# KiCad board VME_Protoboard_160.kicad_pcb (continued)
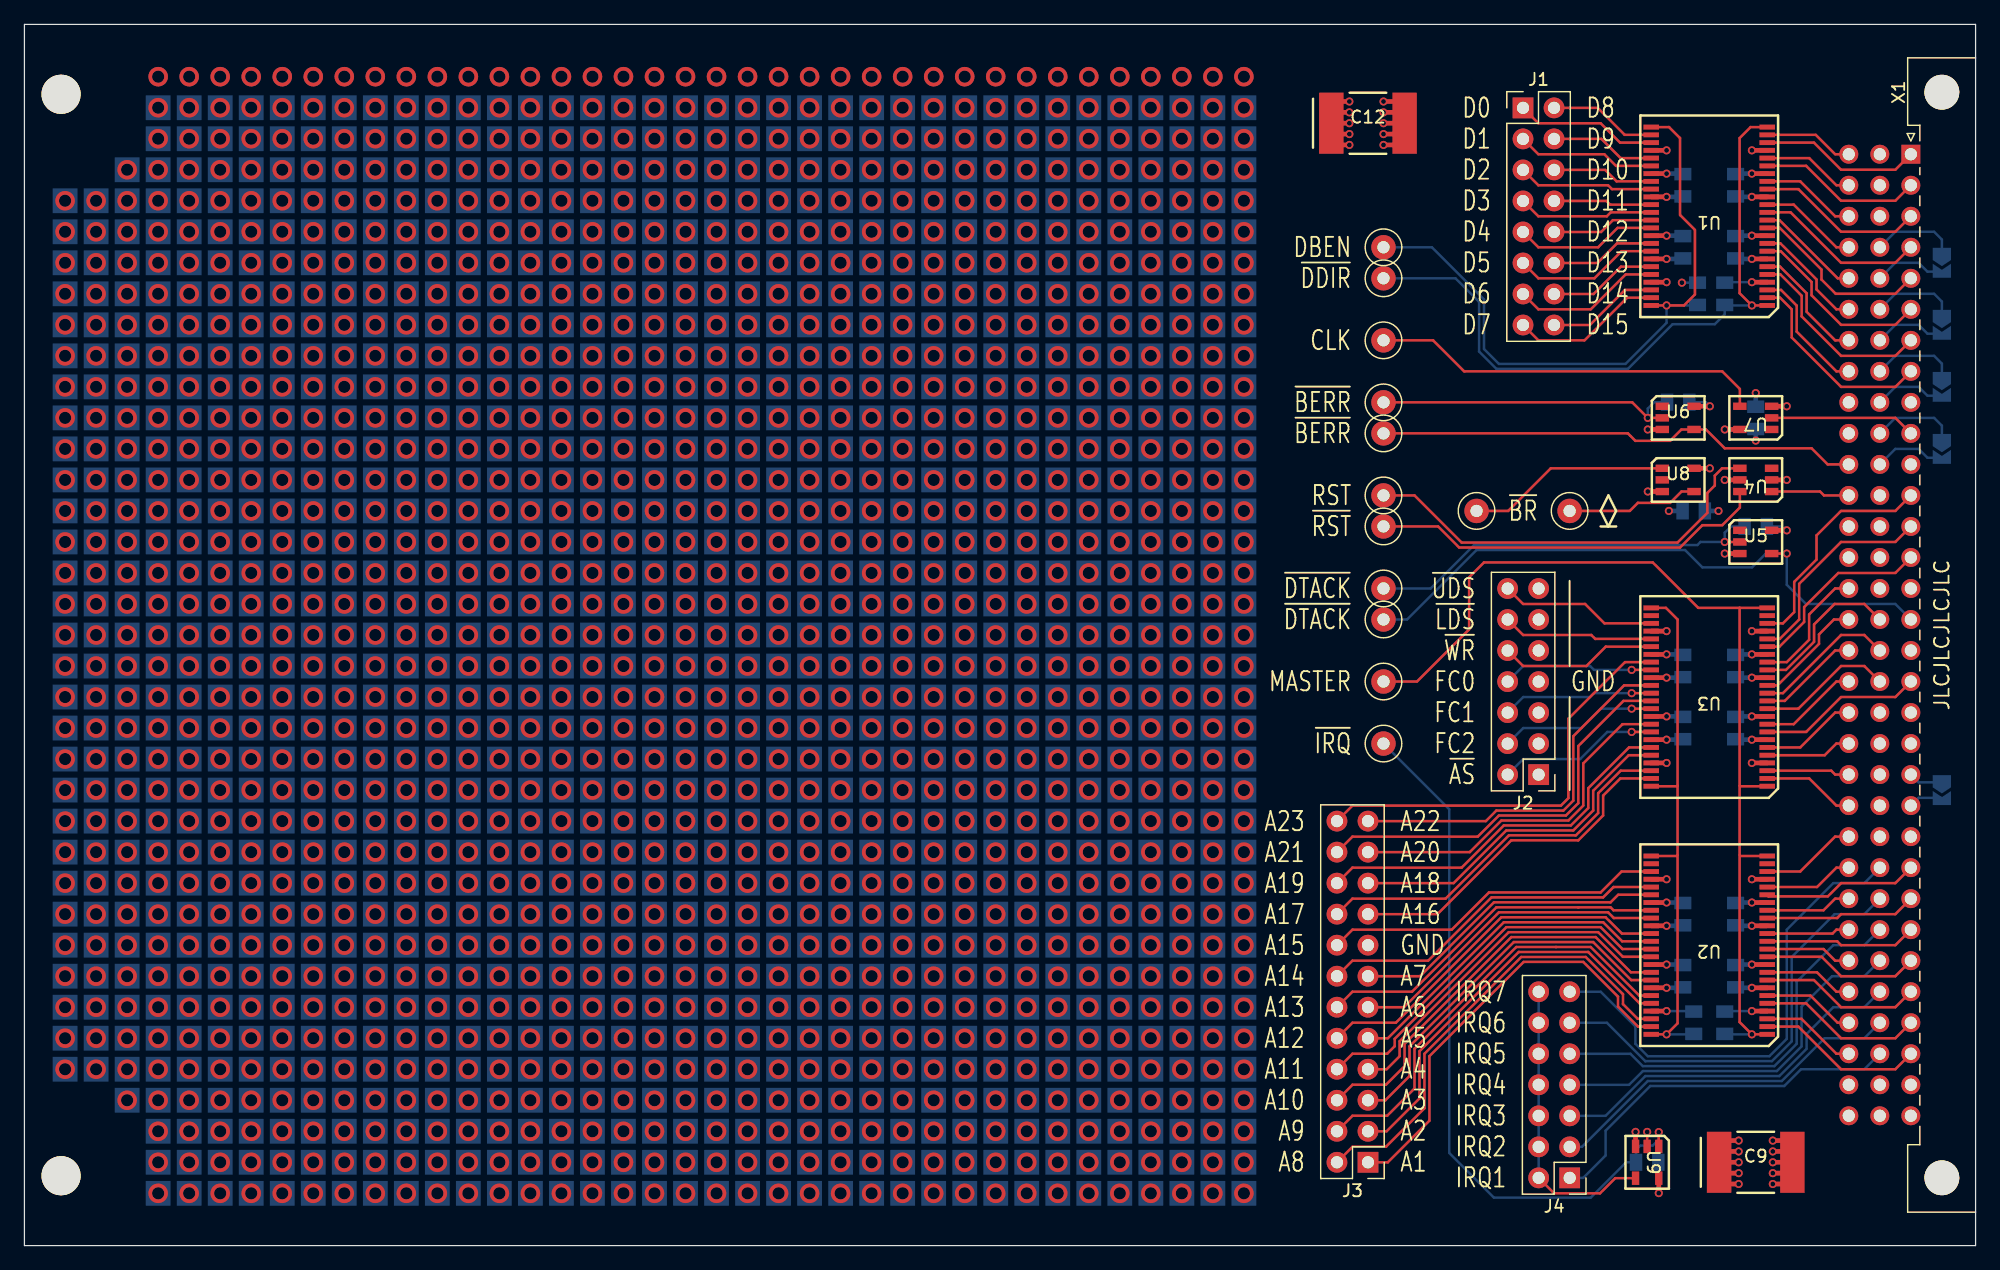
[diagram p0: board, top side]
## Routing (per net, layer and track width the routed paths; a pad name or vN(x,y) marks a point on that pad's centre or on a via; arc(x,y) is an arc through that point) (continued)
  vias: v1(3.33,85.56) v1(3.33,83.02) v1(3.33,80.48) v1(3.33,77.94) v1(3.33,75.4) v1(3.33,72.86) v1(3.33,70.32) v1(3.33,67.78) v1(3.33,65.24) v1(3.33,62.7) v1(3.33,60.16) v1(3.33,57.62) v1(3.33,55.08) v1(3.33,52.54) v1(3.33,50) v1(3.33,47.46) v1(3.33,44.92) v1(3.33,42.38) v1(3.33,39.84) v1(3.33,37.3) v1(3.33,34.76) v1(3.33,32.22) v1(3.33,29.68) v1(3.33,27.14) v1(3.33,24.6) v1(3.33,22.06) v1(3.33,19.52) v1(3.33,16.98) v1(3.33,14.44) v1(5.87,85.56) v1(5.87,83.02) v1(5.87,80.48) v1(5.87,77.94) v1(5.87,75.4) v1(5.87,72.86) v1(5.87,70.32) v1(5.87,67.78) v1(5.87,65.24) v1(5.87,62.7) v1(5.87,60.16) v1(5.87,57.62) v1(5.87,55.08) v1(5.87,52.54) v1(5.87,50) v1(5.87,47.46) v1(5.87,44.92) v1(5.87,42.38) v1(5.87,39.84) v1(5.87,37.3) v1(5.87,34.76) v1(5.87,32.22) v1(5.87,29.68) v1(5.87,27.14) v1(5.87,24.6) v1(5.87,22.06) v1(5.87,19.52) v1(5.87,16.98) v1(5.87,14.44) v1(8.41,88.1) v1(8.41,85.56) v1(8.41,83.02) v1(8.41,80.48) v1(8.41,77.94) v1(8.41,75.4) v1(8.41,72.86) v1(8.41,70.32) v1(8.41,67.78) v1(8.41,65.24) v1(8.41,62.7) v1(8.41,60.16) v1(8.41,57.62) v1(8.41,55.08) v1(8.41,52.54) v1(8.41,50) v1(8.41,47.46) v1(8.41,44.92) v1(8.41,42.38) v1(8.41,39.84) v1(8.41,37.3) v1(8.41,34.76) v1(8.41,32.22) v1(8.41,29.68) v1(8.41,27.14) v1(8.41,24.6) v1(8.41,22.06) v1(8.41,19.52) v1(8.41,16.98) v1(8.41,14.44) v1(8.41,11.9) v1(10.95,93.18) v1(10.95,90.64) v1(10.95,88.1) v1(10.95,85.56) v1(10.95,83.02) v1(10.95,80.48) v1(10.95,77.94) v1(10.95,75.4) v1(10.95,72.86) v1(10.95,70.32) v1(10.95,67.78) v1(10.95,65.24) v1(10.95,62.7) v1(10.95,60.16) v1(10.95,57.62) v1(10.95,55.08) v1(10.95,52.54) v1(10.95,50) v1(10.95,47.46) v1(10.95,44.92) v1(10.95,42.38) v1(10.95,39.84) v1(10.95,37.3) v1(10.95,34.76) v1(10.95,32.22) v1(10.95,29.68) v1(10.95,27.14) v1(10.95,24.6) v1(10.95,22.06) v1(10.95,19.52) v1(10.95,16.98) v1(10.95,14.44) v1(10.95,11.9) v1(10.95,9.36) v1(10.95,6.82) v1(13.49,93.18) v1(13.49,90.64) v1(13.49,88.1) v1(13.49,85.56) v1(13.49,83.02) v1(13.49,80.48) v1(13.49,77.94) v1(13.49,75.4) v1(13.49,72.86) v1(13.49,70.32) v1(13.49,67.78) v1(13.49,65.24) v1(13.49,62.7) v1(13.49,60.16) v1(13.49,57.62) v1(13.49,55.08) v1(13.49,52.54) v1(13.49,50) v1(13.49,47.46) v1(13.49,44.92) v1(13.49,42.38) v1(13.49,39.84) v1(13.49,37.3) v1(13.49,34.76) v1(13.49,32.22) v1(13.49,29.68) v1(13.49,27.14) v1(13.49,24.6) v1(13.49,22.06) v1(13.49,19.52) v1(13.49,16.98) v1(13.49,14.44) v1(13.49,11.9) v1(13.49,9.36) v1(13.49,6.82) v1(16.03,93.18) v1(16.03,90.64) v1(16.03,88.1) v1(16.03,85.56) v1(16.03,83.02) v1(16.03,80.48) v1(16.03,77.94) v1(16.03,75.4) v1(16.03,72.86) v1(16.03,70.32) v1(16.03,67.78) v1(16.03,65.24) v1(16.03,62.7) v1(16.03,60.16) v1(16.03,57.62) v1(16.03,55.08) v1(16.03,52.54) v1(16.03,50) v1(16.03,47.46) v1(16.03,44.92) v1(16.03,42.38) v1(16.03,39.84) v1(16.03,37.3) v1(16.03,34.76) v1(16.03,32.22) v1(16.03,29.68) v1(16.03,27.14) v1(16.03,24.6) v1(16.03,22.06) v1(16.03,19.52) v1(16.03,16.98) v1(16.03,14.44) v1(16.03,11.9) v1(16.03,9.36) v1(16.03,6.82) v1(18.57,93.18) v1(18.57,90.64) v1(18.57,88.1) v1(18.57,85.56) v1(18.57,83.02) v1(18.57,80.48) v1(18.57,77.94) v1(18.57,75.4) v1(18.57,72.86) v1(18.57,70.32) v1(18.57,67.78) v1(18.57,65.24) v1(18.57,62.7) v1(18.57,60.16) v1(18.57,57.62) v1(18.57,55.08) v1(18.57,52.54) v1(18.57,50) v1(18.57,47.46) v1(18.57,44.92) v1(18.57,42.38) v1(18.57,39.84) v1(18.57,37.3) v1(18.57,34.76) v1(18.57,32.22) v1(18.57,29.68) v1(18.57,27.14) v1(18.57,24.6) v1(18.57,22.06) v1(18.57,19.52) v1(18.57,16.98) v1(18.57,14.44) v1(18.57,11.9) v1(18.57,9.36) v1(18.57,6.82) v1(21.11,93.18) v1(21.11,90.64) v1(21.11,88.1) v1(21.11,85.56) v1(21.11,83.02) v1(21.11,80.48) v1(21.11,77.94) v1(21.11,75.4) v1(21.11,72.86) v1(21.11,70.32) v1(21.11,67.78) v1(21.11,65.24) v1(21.11,62.7) v1(21.11,60.16) v1(21.11,57.62) v1(21.11,55.08) v1(21.11,52.54) v1(21.11,50) v1(21.11,47.46) v1(21.11,44.92) v1(21.11,42.38) v1(21.11,39.84) v1(21.11,37.3) v1(21.11,34.76) v1(21.11,32.22) v1(21.11,29.68) v1(21.11,27.14) v1(21.11,24.6) v1(21.11,22.06) v1(21.11,19.52) v1(21.11,16.98) v1(21.11,14.44) v1(21.11,11.9) v1(21.11,9.36) v1(21.11,6.82) v1(23.65,93.18) v1(23.65,90.64) v1(23.65,88.1) v1(23.65,85.56) v1(23.65,83.02) v1(23.65,80.48) v1(23.65,77.94) v1(23.65,75.4) v1(23.65,72.86) v1(23.65,70.32) v1(23.65,67.78) v1(23.65,65.24) v1(23.65,62.7) v1(23.65,60.16) v1(23.65,57.62) v1(23.65,55.08) v1(23.65,52.54) v1(23.65,50) v1(23.65,47.46) v1(23.65,44.92) v1(23.65,42.38) v1(23.65,39.84) v1(23.65,37.3) v1(23.65,34.76) v1(23.65,32.22) v1(23.65,29.68) v1(23.65,27.14) v1(23.65,24.6) v1(23.65,22.06) v1(23.65,19.52) v1(23.65,16.98) v1(23.65,14.44) v1(23.65,11.9) v1(23.65,9.36) v1(23.65,6.82) v1(26.19,93.18) v1(26.19,90.64) v1(26.19,88.1) v1(26.19,85.56) v1(26.19,83.02) v1(26.19,80.48) v1(26.19,77.94) v1(26.19,75.4) v1(26.19,72.86) v1(26.19,70.32) v1(26.19,67.78) v1(26.19,65.24) v1(26.19,62.7) v1(26.19,60.16) v1(26.19,57.62) v1(26.19,55.08) v1(26.19,52.54) v1(26.19,50) v1(26.19,47.46) v1(26.19,44.92) v1(26.19,42.38) v1(26.19,39.84) v1(26.19,37.3) v1(26.19,34.76) v1(26.19,32.22) v1(26.19,29.68) v1(26.19,27.14) v1(26.19,24.6) v1(26.19,22.06) v1(26.19,19.52) v1(26.19,16.98) v1(26.19,14.44) v1(26.19,11.9) v1(26.19,9.36) v1(26.19,6.82) v1(28.73,93.18) v1(28.73,90.64) v1(28.73,88.1) v1(28.73,85.56) v1(28.73,83.02) v1(28.73,80.48) v1(28.73,77.94) v1(28.73,75.4) v1(28.73,72.86) v1(28.73,70.32) v1(28.73,67.78) v1(28.73,65.24) v1(28.73,62.7) v1(28.73,60.16) v1(28.73,57.62) v1(28.73,55.08) v1(28.73,52.54) v1(28.73,50) v1(28.73,47.46) v1(28.73,44.92) v1(28.73,42.38) v1(28.73,39.84) v1(28.73,37.3) v1(28.73,34.76) v1(28.73,32.22) v1(28.73,29.68) v1(28.73,27.14) v1(28.73,24.6) v1(28.73,22.06) v1(28.73,19.52) v1(28.73,16.98) v1(28.73,14.44) v1(28.73,11.9) v1(28.73,9.36) v1(28.73,6.82) v1(31.27,93.18) v1(31.27,90.64) v1(31.27,88.1) v1(31.27,85.56) v1(31.27,83.02) v1(31.27,80.48) v1(31.27,77.94) v1(31.27,75.4) v1(31.27,72.86) v1(31.27,70.32) v1(31.27,67.78) v1(31.27,65.24) v1(31.27,62.7) v1(31.27,60.16) v1(31.27,57.62) v1(31.27,55.08) v1(31.27,52.54) v1(31.27,50) v1(31.27,47.46) v1(31.27,44.92) v1(31.27,42.38) v1(31.27,39.84) v1(31.27,37.3) v1(31.27,34.76) v1(31.27,32.22) v1(31.27,29.68) v1(31.27,27.14) v1(31.27,24.6) v1(31.27,22.06) v1(31.27,19.52) v1(31.27,16.98) v1(31.27,14.44) v1(31.27,11.9) v1(31.27,9.36) v1(31.27,6.82) v1(33.81,93.18) v1(33.81,90.64) v1(33.81,88.1) v1(33.81,85.56) v1(33.81,83.02) v1(33.81,80.48) v1(33.81,77.94) v1(33.81,75.4) v1(33.81,72.86) v1(33.81,70.32) v1(33.81,67.78) v1(33.81,65.24) v1(33.81,62.7) v1(33.81,60.16) v1(33.81,57.62) v1(33.81,55.08) v1(33.81,52.54) v1(33.81,50) v1(33.81,47.46) v1(33.81,44.92) v1(33.81,42.38) v1(33.81,39.84) v1(33.81,37.3) v1(33.81,34.76) v1(33.81,32.22) v1(33.81,29.68) v1(33.81,27.14) v1(33.81,24.6) v1(33.81,22.06) v1(33.81,19.52) v1(33.81,16.98) v1(33.81,14.44) v1(33.81,11.9) v1(33.81,9.36) v1(33.81,6.82) v1(36.35,93.18) v1(36.35,90.64) v1(36.35,88.1) v1(36.35,85.56) v1(36.35,83.02) v1(36.35,80.48) v1(36.35,77.94) v1(36.35,75.4) v1(36.35,72.86) v1(36.35,70.32) v1(36.35,67.78) v1(36.35,65.24) v1(36.35,62.7) v1(36.35,60.16) v1(36.35,57.62) v1(36.35,55.08) v1(36.35,52.54) v1(36.35,50) v1(36.35,47.46) v1(36.35,44.92) v1(36.35,42.38) v1(36.35,39.84) v1(36.35,37.3) v1(36.35,34.76) v1(36.35,32.22) v1(36.35,29.68) v1(36.35,27.14) v1(36.35,24.6) v1(36.35,22.06) v1(36.35,19.52) v1(36.35,16.98) v1(36.35,14.44) v1(36.35,11.9) v1(36.35,9.36) v1(36.35,6.82) v1(38.89,93.18) v1(38.89,90.64) v1(38.89,88.1) v1(38.89,85.56) v1(38.89,83.02) v1(38.89,80.48) v1(38.89,77.94) v1(38.89,75.4) v1(38.89,72.86) v1(38.89,70.32) v1(38.89,67.78) v1(38.89,65.24) v1(38.89,62.7) v1(38.89,60.16) v1(38.89,57.62) v1(38.89,55.08) v1(38.89,52.54) v1(38.89,50) v1(38.89,47.46) v1(38.89,44.92) v1(38.89,42.38) v1(38.89,39.84) v1(38.89,37.3) v1(38.89,34.76) v1(38.89,32.22) v1(38.89,29.68) v1(38.89,27.14) v1(38.89,24.6) v1(38.89,22.06) v1(38.89,19.52) v1(38.89,16.98) v1(38.89,14.44) v1(38.89,11.9) v1(38.89,9.36) v1(38.89,6.82) v1(41.43,93.18) v1(41.43,90.64) v1(41.43,88.1) v1(41.43,85.56) v1(41.43,83.02) v1(41.43,80.48) v1(41.43,77.94) v1(41.43,75.4) v1(41.43,72.86) v1(41.43,70.32) v1(41.43,67.78) v1(41.43,65.24) v1(41.43,62.7) v1(41.43,60.16) v1(41.43,57.62) v1(41.43,55.08) v1(41.43,52.54) v1(41.43,50) v1(41.43,47.46) v1(41.43,44.92) v1(41.43,42.38) v1(41.43,39.84) v1(41.43,37.3) v1(41.43,34.76) v1(41.43,32.22) v1(41.43,29.68) v1(41.43,27.14) v1(41.43,24.6) v1(41.43,22.06) v1(41.43,19.52) v1(41.43,16.98) v1(41.43,14.44) v1(41.43,11.9) v1(41.43,9.36) v1(41.43,6.82) v1(43.97,93.18) v1(43.97,90.64) v1(43.97,88.1) v1(43.97,85.56) v1(43.97,83.02) v1(43.97,80.48) v1(43.97,77.94) v1(43.97,75.4) v1(43.97,72.86) v1(43.97,70.32) v1(43.97,67.78) v1(43.97,65.24) v1(43.97,62.7) v1(43.97,60.16) v1(43.97,57.62) v1(43.97,55.08) v1(43.97,52.54) v1(43.97,50) v1(43.97,47.46) v1(43.97,44.92) v1(43.97,42.38) v1(43.97,39.84) v1(43.97,37.3) v1(43.97,34.76) v1(43.97,32.22) v1(43.97,29.68) v1(43.97,27.14) v1(43.97,24.6) v1(43.97,22.06) v1(43.97,19.52) v1(43.97,16.98) v1(43.97,14.44) v1(43.97,11.9) v1(43.97,9.36) v1(43.97,6.82) v1(46.51,93.18) v1(46.51,90.64) v1(46.51,88.1) v1(46.51,85.56) v1(46.51,83.02) v1(46.51,80.48) v1(46.51,77.94) v1(46.51,75.4) v1(46.51,72.86) v1(46.51,70.32) v1(46.51,67.78) v1(46.51,65.24) v1(46.51,62.7) v1(46.51,60.16) v1(46.51,57.62) v1(46.51,55.08) v1(46.51,52.54) v1(46.51,50) v1(46.51,47.46) v1(46.51,44.92) v1(46.51,42.38) v1(46.51,39.84) v1(46.51,37.3) v1(46.51,34.76) v1(46.51,32.22) v1(46.51,29.68) v1(46.51,27.14) v1(46.51,24.6) v1(46.51,22.06) v1(46.51,19.52) v1(46.51,16.98) v1(46.51,14.44) v1(46.51,11.9) v1(46.51,9.36) v1(46.51,6.82) v1(49.05,93.18) v1(49.05,90.64) v1(49.05,88.1) v1(49.05,85.56) v1(49.05,83.02) v1(49.05,80.48) v1(49.05,77.94) v1(49.05,75.4) v1(49.05,72.86) v1(49.05,70.32) v1(49.05,67.78) v1(49.05,65.24) v1(49.05,62.7) v1(49.05,60.16) v1(49.05,57.62) v1(49.05,55.08) v1(49.05,52.54) v1(49.05,50) v1(49.05,47.46) v1(49.05,44.92) v1(49.05,42.38) v1(49.05,39.84) v1(49.05,37.3) v1(49.05,34.76) v1(49.05,32.22) v1(49.05,29.68) v1(49.05,27.14) v1(49.05,24.6) v1(49.05,22.06) v1(49.05,19.52) v1(49.05,16.98) v1(49.05,14.44) v1(49.05,11.9) v1(49.05,9.36) v1(49.05,6.82) v1(51.59,93.18) v1(51.59,90.64) v1(51.59,88.1) v1(51.59,85.56) v1(51.59,83.02) v1(51.59,80.48) v1(51.59,77.94) v1(51.59,75.4) v1(51.59,72.86) v1(51.59,70.32) v1(51.59,67.78) v1(51.59,65.24) v1(51.59,62.7) v1(51.59,60.16) v1(51.59,57.62) v1(51.59,55.08) v1(51.59,52.54) v1(51.59,50) v1(51.59,47.46) v1(51.59,44.92) v1(51.59,42.38) v1(51.59,39.84) v1(51.59,37.3) v1(51.59,34.76) v1(51.59,32.22) v1(51.59,29.68) v1(51.59,27.14) v1(51.59,24.6) v1(51.59,22.06) v1(51.59,19.52) v1(51.59,16.98) v1(51.59,14.44) v1(51.59,11.9) v1(51.59,9.36) v1(51.59,6.82) v1(54.13,93.18) v1(54.13,90.64) v1(54.13,88.1) v1(54.13,85.56) v1(54.13,83.02) v1(54.13,80.48) v1(54.13,77.94) v1(54.13,75.4) v1(54.13,72.86) v1(54.13,70.32) v1(54.13,67.78) v1(54.13,65.24) v1(54.13,62.7) v1(54.13,60.16) v1(54.13,57.62) v1(54.13,55.08) v1(54.13,52.54) v1(54.13,50) v1(54.13,47.46) v1(54.13,44.92) v1(54.13,42.38) v1(54.13,39.84) v1(54.13,37.3) v1(54.13,34.76) v1(54.13,32.22) v1(54.13,29.68) v1(54.13,27.14) v1(54.13,24.6) v1(54.13,22.06) v1(54.13,19.52) v1(54.13,16.98) v1(54.13,14.44) v1(54.13,11.9) v1(54.13,9.36) v1(54.13,6.82) v1(56.67,93.18) v1(56.67,90.64) v1(56.67,88.1) v1(56.67,85.56) v1(56.67,83.02) v1(56.67,80.48) v1(56.67,77.94) v1(56.67,75.4) v1(56.67,72.86) v1(56.67,70.32) v1(56.67,67.78) v1(56.67,65.24) v1(56.67,62.7) v1(56.67,60.16) v1(56.67,57.62) v1(56.67,55.08) v1(56.67,52.54) v1(56.67,50) v1(56.67,47.46) v1(56.67,44.92) v1(56.67,42.38) v1(56.67,39.84) v1(56.67,37.3) v1(56.67,34.76) v1(56.67,32.22) v1(56.67,29.68) v1(56.67,27.14) v1(56.67,24.6) v1(56.67,22.06) v1(56.67,19.52) v1(56.67,16.98) v1(56.67,14.44) v1(56.67,11.9) v1(56.67,9.36) v1(56.67,6.82) v1(59.21,93.18) v1(59.21,90.64) v1(59.21,88.1) v1(59.21,85.56) v1(59.21,83.02) v1(59.21,80.48) v1(59.21,77.94) v1(59.21,75.4) v1(59.21,72.86) v1(59.21,70.32) v1(59.21,67.78) v1(59.21,65.24) v1(59.21,62.7) v1(59.21,60.16) v1(59.21,57.62) v1(59.21,55.08) v1(59.21,52.54) v1(59.21,50) v1(59.21,47.46) v1(59.21,44.92) v1(59.21,42.38) v1(59.21,39.84) v1(59.21,37.3) v1(59.21,34.76) v1(59.21,32.22) v1(59.21,29.68) v1(59.21,27.14) v1(59.21,24.6) v1(59.21,22.06) v1(59.21,19.52) v1(59.21,16.98) v1(59.21,14.44) v1(59.21,11.9) v1(59.21,9.36) v1(59.21,6.82) v1(61.75,93.18) v1(61.75,90.64) v1(61.75,88.1) v1(61.75,85.56) v1(61.75,83.02) v1(61.75,80.48) v1(61.75,77.94) v1(61.75,75.4) v1(61.75,72.86) v1(61.75,70.32) v1(61.75,67.78) v1(61.75,65.24) v1(61.75,62.7) v1(61.75,60.16) v1(61.75,57.62) v1(61.75,55.08) v1(61.75,52.54) v1(61.75,50) v1(61.75,47.46) v1(61.75,44.92) v1(61.75,42.38) v1(61.75,39.84) v1(61.75,37.3) v1(61.75,34.76) v1(61.75,32.22) v1(61.75,29.68) v1(61.75,27.14) v1(61.75,24.6) v1(61.75,22.06) v1(61.75,19.52) v1(61.75,16.98) v1(61.75,14.44) v1(61.75,11.9) v1(61.75,9.36) v1(61.75,6.82) v1(64.29,93.18) v1(64.29,90.64) v1(64.29,88.1) v1(64.29,85.56) v1(64.29,83.02) v1(64.29,80.48) v1(64.29,77.94) v1(64.29,75.4) v1(64.29,72.86) v1(64.29,70.32) v1(64.29,67.78) v1(64.29,65.24) v1(64.29,62.7) v1(64.29,60.16) v1(64.29,57.62) v1(64.29,55.08) v1(64.29,52.54) v1(64.29,50) v1(64.29,47.46) v1(64.29,44.92) v1(64.29,42.38) v1(64.29,39.84) v1(64.29,37.3) v1(64.29,34.76) v1(64.29,32.22) v1(64.29,29.68) v1(64.29,27.14) v1(64.29,24.6) v1(64.29,22.06) v1(64.29,19.52) v1(64.29,16.98) v1(64.29,14.44) v1(64.29,11.9) v1(64.29,9.36) v1(64.29,6.82) v1(66.83,93.18) v1(66.83,90.64) v1(66.83,88.1) v1(66.83,85.56) v1(66.83,83.02) v1(66.83,80.48) v1(66.83,77.94) v1(66.83,75.4) v1(66.83,72.86) v1(66.83,70.32) v1(66.83,67.78) v1(66.83,65.24) v1(66.83,62.7) v1(66.83,60.16) v1(66.83,57.62) v1(66.83,55.08) v1(66.83,52.54) v1(66.83,50) v1(66.83,47.46) v1(66.83,44.92) v1(66.83,42.38) v1(66.83,39.84) v1(66.83,37.3) v1(66.83,34.76) v1(66.83,32.22) v1(66.83,29.68) v1(66.83,27.14) v1(66.83,24.6) v1(66.83,22.06) v1(66.83,19.52) v1(66.83,16.98) v1(66.83,14.44) v1(66.83,11.9) v1(66.83,9.36) v1(66.83,6.82) v1(69.37,93.18) v1(69.37,90.64) v1(69.37,88.1) v1(69.37,85.56) v1(69.37,83.02) v1(69.37,80.48) v1(69.37,77.94) v1(69.37,75.4) v1(69.37,72.86) v1(69.37,70.32) v1(69.37,67.78) v1(69.37,65.24) v1(69.37,62.7) v1(69.37,60.16) v1(69.37,57.62) v1(69.37,55.08) v1(69.37,52.54) v1(69.37,50) v1(69.37,47.46) v1(69.37,44.92) v1(69.37,42.38) v1(69.37,39.84) v1(69.37,37.3) v1(69.37,34.76) v1(69.37,32.22) v1(69.37,29.68) v1(69.37,27.14) v1(69.37,24.6) v1(69.37,22.06) v1(69.37,19.52) v1(69.37,16.98) v1(69.37,14.44) v1(69.37,11.9) v1(69.37,9.36) v1(69.37,6.82) v1(71.91,93.18) v1(71.91,90.64) v1(71.91,88.1) v1(71.91,85.56) v1(71.91,83.02) v1(71.91,80.48) v1(71.91,77.94) v1(71.91,75.4) v1(71.91,72.86) v1(71.91,70.32) v1(71.91,67.78) v1(71.91,65.24) v1(71.91,62.7) v1(71.91,60.16) v1(71.91,57.62) v1(71.91,55.08) v1(71.91,52.54) v1(71.91,50) v1(71.91,47.46) v1(71.91,44.92) v1(71.91,42.38) v1(71.91,39.84) v1(71.91,37.3) v1(71.91,34.76) v1(71.91,32.22) v1(71.91,29.68) v1(71.91,27.14) v1(71.91,24.6) v1(71.91,22.06) v1(71.91,19.52) v1(71.91,16.98) v1(71.91,14.44) v1(71.91,11.9) v1(71.91,9.36) v1(71.91,6.82) v1(74.45,93.18) v1(74.45,90.64) v1(74.45,88.1) v1(74.45,85.56) v1(74.45,83.02) v1(74.45,80.48) v1(74.45,77.94) v1(74.45,75.4) v1(74.45,72.86) v1(74.45,70.32) v1(74.45,67.78) v1(74.45,65.24) v1(74.45,62.7) v1(74.45,60.16) v1(74.45,57.62) v1(74.45,55.08) v1(74.45,52.54) v1(74.45,50) v1(74.45,47.46) v1(74.45,44.92) v1(74.45,42.38) v1(74.45,39.84) v1(74.45,37.3) v1(74.45,34.76) v1(74.45,32.22) v1(74.45,29.68) v1(74.45,27.14) v1(74.45,24.6) v1(74.45,22.06) v1(74.45,19.52) v1(74.45,16.98) v1(74.45,14.44) v1(74.45,11.9) v1(74.45,9.36) v1(74.45,6.82) v1(76.99,93.18) v1(76.99,90.64) v1(76.99,88.1) v1(76.99,85.56) v1(76.99,83.02) v1(76.99,80.48) v1(76.99,77.94) v1(76.99,75.4) v1(76.99,72.86) v1(76.99,70.32) v1(76.99,67.78) v1(76.99,65.24) v1(76.99,62.7) v1(76.99,60.16) v1(76.99,57.62) v1(76.99,55.08) v1(76.99,52.54) v1(76.99,50) v1(76.99,47.46) v1(76.99,44.92) v1(76.99,42.38) v1(76.99,39.84) v1(76.99,37.3) v1(76.99,34.76) v1(76.99,32.22) v1(76.99,29.68) v1(76.99,27.14) v1(76.99,24.6) v1(76.99,22.06) v1(76.99,19.52) v1(76.99,16.98) v1(76.99,14.44) v1(76.99,11.9) v1(76.99,9.36) v1(76.99,6.82) v1(79.53,93.18) v1(79.53,90.64) v1(79.53,88.1) v1(79.53,85.56) v1(79.53,83.02) v1(79.53,80.48) v1(79.53,77.94) v1(79.53,75.4) v1(79.53,72.86) v1(79.53,70.32) v1(79.53,67.78) v1(79.53,65.24) v1(79.53,62.7) v1(79.53,60.16) v1(79.53,57.62) v1(79.53,55.08) v1(79.53,52.54) v1(79.53,50) v1(79.53,47.46) v1(79.53,44.92) v1(79.53,42.38) v1(79.53,39.84) v1(79.53,37.3) v1(79.53,34.76) v1(79.53,32.22) v1(79.53,29.68) v1(79.53,27.14) v1(79.53,24.6) v1(79.53,22.06) v1(79.53,19.52) v1(79.53,16.98) v1(79.53,14.44) v1(79.53,11.9) v1(79.53,9.36) v1(79.53,6.82) v1(82.07,93.18) v1(82.07,90.64) v1(82.07,88.1) v1(82.07,85.56) v1(82.07,83.02) v1(82.07,80.48) v1(82.07,77.94) v1(82.07,75.4) v1(82.07,72.86) v1(82.07,70.32) v1(82.07,67.78) v1(82.07,65.24) v1(82.07,62.7) v1(82.07,60.16) v1(82.07,57.62) v1(82.07,55.08) v1(82.07,52.54) v1(82.07,50) v1(82.07,47.46) v1(82.07,44.92) v1(82.07,42.38) v1(82.07,39.84) v1(82.07,37.3) v1(82.07,34.76) v1(82.07,32.22) v1(82.07,29.68) v1(82.07,27.14) v1(82.07,24.6) v1(82.07,22.06) v1(82.07,19.52) v1(82.07,16.98) v1(82.07,14.44) v1(82.07,11.9) v1(82.07,9.36) v1(82.07,6.82) v1(84.61,93.18) v1(84.61,90.64) v1(84.61,88.1) v1(84.61,85.56) v1(84.61,83.02) v1(84.61,80.48) v1(84.61,77.94) v1(84.61,75.4) v1(84.61,72.86) v1(84.61,70.32) v1(84.61,67.78) v1(84.61,65.24) v1(84.61,62.7) v1(84.61,60.16) v1(84.61,57.62) v1(84.61,55.08) v1(84.61,52.54) v1(84.61,50) v1(84.61,47.46) v1(84.61,44.92) v1(84.61,42.38) v1(84.61,39.84) v1(84.61,37.3) v1(84.61,34.76) v1(84.61,32.22) v1(84.61,29.68) v1(84.61,27.14) v1(84.61,24.6) v1(84.61,22.06) v1(84.61,19.52) v1(84.61,16.98) v1(84.61,14.44) v1(84.61,11.9) v1(84.61,9.36) v1(84.61,6.82) v1(87.15,93.18) v1(87.15,90.64) v1(87.15,88.1) v1(87.15,85.56) v1(87.15,83.02) v1(87.15,80.48) v1(87.15,77.94) v1(87.15,75.4) v1(87.15,72.86) v1(87.15,70.32) v1(87.15,67.78) v1(87.15,65.24) v1(87.15,62.7) v1(87.15,60.16) v1(87.15,57.62) v1(87.15,55.08) v1(87.15,52.54) v1(87.15,50) v1(87.15,47.46) v1(87.15,44.92) v1(87.15,42.38) v1(87.15,39.84) v1(87.15,37.3) v1(87.15,34.76) v1(87.15,32.22) v1(87.15,29.68) v1(87.15,27.14) v1(87.15,24.6) v1(87.15,22.06) v1(87.15,19.52) v1(87.15,16.98) v1(87.15,14.44) v1(87.15,11.9) v1(87.15,9.36) v1(87.15,6.82) v1(89.69,93.18) v1(89.69,90.64) v1(89.69,88.1) v1(89.69,85.56) v1(89.69,83.02) v1(89.69,80.48) v1(89.69,77.94) v1(89.69,75.4) v1(89.69,72.86) v1(89.69,70.32) v1(89.69,67.78) v1(89.69,65.24) v1(89.69,62.7) v1(89.69,60.16) v1(89.69,57.62) v1(89.69,55.08) v1(89.69,52.54) v1(89.69,50) v1(89.69,47.46) v1(89.69,44.92) v1(89.69,42.38) v1(89.69,39.84) v1(89.69,37.3) v1(89.69,34.76) v1(89.69,32.22) v1(89.69,29.68) v1(89.69,27.14) v1(89.69,24.6) v1(89.69,22.06) v1(89.69,19.52) v1(89.69,16.98) v1(89.69,14.44) v1(89.69,11.9) v1(89.69,9.36) v1(89.69,6.82) v1(92.23,93.18) v1(92.23,90.64) v1(92.23,88.1) v1(92.23,85.56) v1(92.23,83.02) v1(92.23,80.48) v1(92.23,77.94) v1(92.23,75.4) v1(92.23,72.86) v1(92.23,70.32) v1(92.23,67.78) v1(92.23,65.24) v1(92.23,62.7) v1(92.23,60.16) v1(92.23,57.62) v1(92.23,55.08) v1(92.23,52.54) v1(92.23,50) v1(92.23,47.46) v1(92.23,44.92) v1(92.23,42.38) v1(92.23,39.84) v1(92.23,37.3) v1(92.23,34.76) v1(92.23,32.22) v1(92.23,29.68) v1(92.23,27.14) v1(92.23,24.6) v1(92.23,22.06) v1(92.23,19.52) v1(92.23,16.98) v1(92.23,14.44) v1(92.23,11.9) v1(92.23,9.36) v1(92.23,6.82) v1(94.77,93.18) v1(94.77,90.64) v1(94.77,88.1) v1(94.77,85.56) v1(94.77,83.02) v1(94.77,80.48) v1(94.77,77.94) v1(94.77,75.4) v1(94.77,72.86) v1(94.77,70.32) v1(94.77,67.78) v1(94.77,65.24) v1(94.77,62.7) v1(94.77,60.16) v1(94.77,57.62) v1(94.77,55.08) v1(94.77,52.54) v1(94.77,50) v1(94.77,47.46) v1(94.77,44.92) v1(94.77,42.38) v1(94.77,39.84) v1(94.77,37.3) v1(94.77,34.76) v1(94.77,32.22) v1(94.77,29.68) v1(94.77,27.14) v1(94.77,24.6) v1(94.77,22.06) v1(94.77,19.52) v1(94.77,16.98) v1(94.77,14.44) v1(94.77,11.9) v1(94.77,9.36) v1(94.77,6.82) v1(97.31,93.18) v1(97.31,90.64) v1(97.31,88.1) v1(97.31,85.56) v1(97.31,83.02) v1(97.31,80.48) v1(97.31,77.94) v1(97.31,75.4) v1(97.31,72.86) v1(97.31,70.32) v1(97.31,67.78) v1(97.31,65.24) v1(97.31,62.7) v1(97.31,60.16) v1(97.31,57.62) v1(97.31,55.08) v1(97.31,52.54) v1(97.31,50) v1(97.31,47.46) v1(97.31,44.92) v1(97.31,42.38) v1(97.31,39.84) v1(97.31,37.3) v1(97.31,34.76) v1(97.31,32.22) v1(97.31,29.68) v1(97.31,27.14) v1(97.31,24.6) v1(97.31,22.06) v1(97.31,19.52) v1(97.31,16.98) v1(97.31,14.44) v1(97.31,11.9) v1(97.31,9.36) v1(97.31,6.82) v1(99.85,93.18) v1(99.85,90.64) v1(99.85,88.1) v1(99.85,85.56) v1(99.85,83.02) v1(99.85,80.48) v1(99.85,77.94) v1(99.85,75.4) v1(99.85,72.86) v1(99.85,70.32) v1(99.85,67.78) v1(99.85,65.24) v1(99.85,62.7) v1(99.85,60.16) v1(99.85,57.62) v1(99.85,55.08) v1(99.85,52.54) v1(99.85,50) v1(99.85,47.46) v1(99.85,44.92) v1(99.85,42.38) v1(99.85,39.84) v1(99.85,37.3) v1(99.85,34.76) v1(99.85,32.22) v1(99.85,29.68) v1(99.85,27.14) v1(99.85,24.6) v1(99.85,22.06) v1(99.85,19.52) v1(99.85,16.98) v1(99.85,14.44) v1(99.85,11.9) v1(99.85,9.36) v1(99.85,6.82)
/A1: length 35.8
  Top w0.203: J3.1 111.64,6.82 115.04,10.22 115.04,15.51 122.76,23.23 127.64,23.23 130.48,20.38 130.48,19.57 132.12,17.93 U2.47
/A2: length 33.3
  Top w0.203: J3.3 111.53,9.36 114.23,12.05 114.23,15.91 122.35,24.04 128.04,24.04 132.25,19.84 U2.44
/A3: length 31.3
  Top w0.203: U2.41 131.56,21.74 128.45,24.85 121.95,24.85 113.41,16.32 113.41,13.88 111.43,11.9 J3.5
/A4: length 29.4
  Top w0.203: J3.7 111.53,14.44 112.6,15.51 112.6,16.73 121.54,25.67 128.86,25.67 130.88,23.65 U2.38
/A5: length 27.8
  Top w0.203: U2.36 130.83,24.92 129.26,26.48 121.14,26.48 111.64,16.98 J3.9
/A6: length 26.6
  Top w0.203: U2.33 130.14,26.82 129.67,27.29 120.73,27.29 112.96,19.52 J3.11
/A7: length 26
  Top w0.203: U2.30 130.5,28.73 129.87,28.11 120.32,28.11 114.28,22.06 J3.13
/A8: length 37.9
  Top w0.203: J3.2 108.74,8.09 111.48,8.09 114.63,11.24 114.63,15.71 122.56,23.63 127.84,23.63 130.89,20.59 130.89,19.77 132.1,18.57 U2.46
/A9: length 35.5
  Top w0.203: U2.43 132.22,20.47 128.24,24.45 125.41,24.45 125.4,24.45 122.15,24.45 113.82,16.12 113.82,12.87 111.58,10.63 108.74,10.63 J3.4
/A10: length 33.5
  Top w0.203: J3.6 108.74,13.17 111.48,13.17 113.01,14.69 113.01,16.52 121.74,25.26 128.65,25.26 131.54,22.38 U2.40
/A11: length 31.6
  Top w0.203: U2.37 130.85,24.28 129.06,26.07 121.34,26.07 112.19,16.93 112.19,16.32 111.58,15.71 108.74,15.71 J3.8
/A12: length 30.4
  Top w0.203: U2.35 130.8,25.55 129.47,26.89 120.93,26.89 112.3,18.25 108.74,18.25 J3.10
/A13: length 29.2
  Top w0.203: J3.12 108.74,20.79 113.62,20.79 120.52,27.7 127.23,27.7 127.23,27.7 129.87,27.7 130.11,27.46 U2.32
/A14: length 28.8
  Top w0.203: U2.29 130.11,29.36 129.26,28.51 120.12,28.51 114.94,23.33 108.74,23.33 J3.14
/A15: length 28.2
  Top w0.203: J3.16 108.74,25.87 116.87,25.87 119.92,28.92 129.06,28.92 130.77,30.63 U2.27
/A16: length 28.7
  Top w0.203: J3.17 115.7,27.14 121.74,33.19 127.23,33.19 129.26,35.22 129.26,36.84 130.67,38.25 U3.47
/A17: length 31.5
  Top w0.203: J3.18 108.74,28.41 116.36,28.41 121.54,33.59 127.03,33.59 128.86,35.42 128.86,37.05 130.7,38.89 U3.46
/A18: length 28.5
  Top w0.203: J3.19 117.02,29.68 121.34,34 126.82,34 128.45,35.62 128.45,37.25 131.36,40.16 U3.44
/A19: length 31.3
  Top w0.203: U3.43 131.38,40.79 128.04,37.45 128.04,35.83 126.62,34.4 121.14,34.4 117.68,30.95 108.74,30.95 J3.20
/A20: length 29.6
  Top w0.203: U3.40 130.85,42.7 127.64,39.48 127.64,36.03 126.42,34.81 120.93,34.81 118.34,32.22 J3.21
/A21: length 33.6
  Top w0.203: J3.22 108.74,33.49 119,33.49 120.73,35.22 126.22,35.22 127.23,36.23 127.23,40.91 130.93,44.6 U3.37
/A22: length 30.9
  Top w0.203: U3.35 130.98,45.87 126.82,41.72 126.82,36.43 126.01,35.62 120.53,35.62 119.66,34.76 J3.23
/A23: length 34.9
  Top w0.203: U3.32 131.05,47.78 126.42,43.14 126.42,36.64 125.81,36.03 108.74,36.03 J3.24
/D0: length 11.7
  Top w0.203: U1.27 130.65,90.32 129.06,91.91 123.96,91.91 J1.1
/D1: length 11.4
  Top w0.203: J1.3 123.96,89.37 129.36,89.37 130.32,88.42 U1.30
/D2: length 11.1
  Top w0.203: U1.33 129.99,86.51 129.67,86.83 123.96,86.83 J1.5
/D3: length 11.1
  Top w0.203: J1.7 123.96,84.29 129.57,84.29 129.89,84.61 U1.36
/D4: length 11.7
  Top w0.203: J1.9 123.96,81.75 128.86,81.75 130.44,83.34 U1.38
/D5: length 11.9
  Top w0.203: U1.41 130.77,81.43 128.55,79.21 123.96,79.21 J1.11
/D6: length 12.2
  Top w0.203: U1.44 131.1,79.53 128.25,76.67 123.96,76.67 J1.13
/D7: length 12.5
  Top w0.203: J1.15 123.96,74.13 127.74,74.13 131.23,77.62 U1.47
/D8: length 8.9
  Top w0.203: J1.2 128.82,93.16 131.03,90.96 U1.26
/D9: length 8.6
  Top w0.203: U1.29 130.7,89.05 129.13,90.62 J1.4
/D10: length 8.3
  Top w0.203: U1.32 130.37,87.15 129.43,88.08 J1.6
/D11: length 8.1
  Top w0.203: U1.35 129.83,85.24 129.53,85.54 J1.8
/D12: length 8.4
  Top w0.203: U1.37 130.06,83.97 129.1,83 J1.10
/D13: length 8.6
  Top w0.203: U1.40 130.39,82.07 128.79,80.46 J1.12
/D14: length 8.9
  Top w0.203: U1.43 130.72,80.16 128.49,77.92 J1.14
/D15: length 9.1
  Top w0.203: U1.46 131.05,78.26 128.18,75.38 J1.16
/DDIR: length 56.3
  Top w0.203: U1.1 v2(141.44,76.99) 140.44,77.99 140.44,90.69 141.34,91.59 U1.24
  Bottom w0.203: TP1.1 117.17,79.21 119.11,77.28 119.11,73.21 120.53,71.79 131.3,71.79 134.95,75.45 138.41,75.45 139.22,76.26 R1.2 139.26,76.99 v2(141.44,76.99)
/FC0: length 12.4
  Top w0.203: U3.33 v2(131.6,47.14)
  Bottom w0.203: v2(131.6,47.14) 128.51,47.14 128.2,47.46 122.72,47.46 J2.8
/FC0`: length 12.8
  Top w0.203: U3.16 144.24,47.14 146.54,49.44 146.54,50.86 148.21,52.54 150.65,52.54 X1.b16
/FC1: length 12.4
  Top w0.203: U3.36 v2(131.6,45.24)
  Bottom w0.203: J2.6 122.72,44.92 128.2,44.92 128.51,45.24 v2(131.6,45.24)
/FC1`: length 11.7
  Top w0.203: U3.13 143.98,45.24 148.75,50 150.65,50 X1.b17
/FC2: length 12.9
  Top w0.203: U3.38 v2(131.6,43.97)
  Bottom w0.203: v2(131.6,43.97) 129.07,43.97 127.49,42.38 122.72,42.38 J2.4
/FC2`: length 11.2
  Top w0.203: X1.b18 150.65,47.46 148.75,47.46 145.25,43.97 U3.11
/MASTER: length 82.9
  Top w0.203: 140.44,37.66 140.44,18.3 v2(141.44,17.3) U2.1 ; 140.44,37.66 140.44,52.22 ; 140.44,37.66 140.48,37.62 U3.1 ; TP3.1 114.02,46.19 118.29,50.46 118.29,54.72 119.51,55.94 133.33,55.94 137.05,52.22 140.44,52.22 ; U2.24 140.5,31.9 140.44,31.97 ; 140.44,52.22 U3.24
  Bottom w0.203: R3.2 139.26,17.3 v2(141.44,17.3)
/SA1: length 13.7
  Top w0.203: X1.a30 153.19,14.44 148.75,14.44 145.25,17.93 U2.2
/SA2: length 13.5
  Top w0.203: U2.5 145.89,19.84 148.75,16.98 153.19,16.98 X1.a29
/SA3: length 13.2
  Top w0.203: U2.8 146.52,21.74 148.75,19.52 153.19,19.52 X1.a28
/SA4: length 12.9
  Top w0.203: U2.11 147.16,23.65 148.75,22.06 153.19,22.06 X1.a27
/SA5: length 12.4
  Top w0.203: X1.a26 153.19,24.6 148.75,24.6 148.43,24.92 U2.13
/SA6: length 12.4
  Top w0.203: X1.a25 153.19,27.14 148.75,27.14 148.43,26.82 U2.16
/SA7: length 12.8
  Top w0.203: U2.19 142.7,28.69 142.8,28.59 147.66,28.59 148.75,29.68 153.19,29.68 X1.a24
/SA8: length 7.9
  Top w0.203: X1.c30 148.36,15.71 145.51,18.57 U2.3
/SA9: length 7.6
  Top w0.203: X1.c29 148.47,18.25 146.24,20.47 U2.6
/SA10: length 7.3
  Top w0.203: U2.9 146.78,22.38 148.36,20.79 X1.c28
/SA11: length 7.1
  Top w0.203: U2.12 147.31,24.28 148.26,23.33 X1.c27
/SA12: length 6.8
  Top w0.203: U2.14 148.05,25.55 148.36,25.87 X1.c26
/SA13: length 7.1
  Top w0.203: U2.17 147.31,27.46 148.26,28.41 X1.c25
/SA14: length 7.3
  Top w0.203: U2.20 146.78,29.36 148.36,30.95 X1.c24
/SA15: length 7.9
  Top w0.203: U2.22 145.4,30.63 148.26,33.49 X1.c23
/SA16: length 7.6
  Top w0.203: U3.2 146.14,38.25 148.36,36.03 X1.c22
/SA17: length 6.8
  Top w0.203: U3.3 147.94,38.89 148.26,38.57 X1.c21
/SA18: length 7.1
  Top w0.203: X1.c20 148.36,41.11 147.41,40.16 U3.5
/SA19: length 7.9
  Top w0.203: U3.6 145.4,40.79 148.26,43.65 X1.c19
/SA20: length 8.1
  Top w0.203: X1.c18 148.36,46.19 144.87,42.7 U3.9
/SA21: length 8.4
  Top w0.203: U3.12 144.13,44.6 148.26,48.73 X1.c17
/SA22: length 9.4
  Top w0.203: X1.c16 148.16,51.27 146.94,50.05 146.94,49.28 143.54,45.87 U3.14
/SA23: length 10.4
  Top w0.203: U3.17 144.3,47.78 146.13,49.61 146.13,51.68 148.26,53.81 X1.c15
/SD0: length 13.2
  Top w0.203: U1.22 146.52,90.32 148.75,88.1 153.19,88.1 X1.a1
/SD1: length 13.5
  Top w0.203: X1.a2 153.19,85.56 148.75,85.56 145.89,88.42 U1.19
/SD2: length 13.7
  Top w0.203: X1.a3 153.19,83.02 148.75,83.02 145.25,86.51 U1.16
/SD3: length 14
  Top w0.203: U1.13 144.62,84.61 148.75,80.48 153.19,80.48 X1.a4
/SD4: length 15
  Top w0.203: X1.a5 153.19,77.94 148.31,77.94 147.14,79.11 147.14,79.92 143.73,83.34 U1.11
/SD5: length 15.4
  Top w0.203: U1.8 143.8,81.43 146.33,78.91 146.33,77.81 148.75,75.4 153.19,75.4 X1.a6
/SD6: length 16
  Top w0.203: X1.a7 153.19,72.86 148.75,72.86 145.52,76.09 145.52,77.79 143.78,79.53 U1.5
/SD7: length 16.7
  Top w0.203: U1.2 143.75,77.62 144.71,76.67 144.71,74.36 148.75,70.32 153.19,70.32 X1.a8
/SD8: length 7.3
  Top w0.203: U1.23 146.67,90.96 148.26,89.37 X1.c1
/SD9: length 7.6
  Top w0.203: U1.20 146.14,89.05 148.36,86.83 X1.c2
/SD10: length 7.9
  Top w0.203: U1.17 145.4,87.15 148.26,84.29 X1.c3
/SD11: length 8.1
  Top w0.203: X1.c4 148.36,81.75 144.87,85.24 U1.14
/SD12: length 8.7
  Top w0.203: U1.12 143.7,83.97 148.47,79.21 X1.c5
/SD13: length 9.4
  Top w0.203: U1.9 143.78,82.07 146.74,79.11 146.74,78.3 148.36,76.67 X1.c6
/SD14: length 10.1
  Top w0.203: X1.c7 148.26,74.13 145.93,76.47 145.93,77.99 143.75,80.16 U1.6
/SD15: length 10.7
  Top w0.203: X1.c8 148.36,71.59 145.11,74.84 145.11,76.97 143.83,78.26 U1.3
/SYSCLK: length 32.2
  Top w0.203: U7.4 140.46,70.15 139.02,71.59 117.88,71.59 115.34,74.13 TP8.1
/SYSCLK`: length 11.9
  Top w0.203: X1.a10 153.19,67.78 U7.2
/SYSRESET: length 34.7
  Top w0.203: U4.4 139,63.65 138.41,63.06 138.41,62.24 137.8,61.63 137.8,60.01 135.36,57.57 117.68,57.57 113.82,61.43 TP10.1
/~{AS`}: length 13.5
  Top w0.203: U3.8 145.89,42.06 148.75,44.92 153.19,44.92 X1.a18
/~{AS}: length 13.2
  Top w0.203: U3.41 v2(131.6,42.06)
  Bottom w0.203: J2.2 122.72,39.84 127.38,39.84 129.61,42.06 v2(131.6,42.06)
/~{BERR_DRV}: length 25.9
  Top w0.203: TP5.1 131.65,69.05 v2(132.92,67.78) U6.2
  Bottom w0.203: v2(132.92,67.78) 132.92,68.54 133.44,69.06 R6.2
/~{BERR`}: length 39.9
  Top w0.203: X1.c11 147.65,63.97 146.33,65.29 139.22,65.29 137.68,66.83 U6.4 135.68,66.83 134.75,65.9 131.9,65.9 131.3,66.51 TP7.1
/~{BG0IN}: length 7
  Bottom w0.203: 157,81.2 157,82.38 156.37,83.02 153.19,83.02 X1.b4
/~{BG0OUT}: length 5.9
  Bottom w0.203: JP2.2 155.82,79.75 155.09,80.48 153.19,80.48 X1.b5
/~{BG1IN}: length 7
  Bottom w0.203: X1.b6 153.19,77.94 156.37,77.94 157,77.3 JP3.1
/~{BG1OUT}: length 5.9
  Bottom w0.203: X1.b7 153.19,75.4 155.09,75.4 155.82,74.67 JP3.2
/~{BG2IN}: length 7
  Bottom w0.203: X1.b8 153.19,72.86 156.37,72.86 157,72.22 JP4.1
/~{BG2OUT}: length 5.9
  Bottom w0.203: X1.b9 153.19,70.32 155.09,70.32 155.82,69.59 JP4.2
/~{BG3IN}: length 7
  Bottom w0.203: X1.b10 153.19,67.78 156.37,67.78 157,67.14 JP5.1
/~{BG3OUT}: length 5.9
  Bottom w0.203: 157,64.51 155.82,64.51 155.09,65.24 153.19,65.24 X1.b11
/~{BR}: length 16.7
  Top w0.203: TP11.1 121.49,60.16 124.98,63.65 U8.1
/~{DBEN}: length 54.9
  Top w0.203: U1.48 v2(134.46,76.99) 135.88,76.99 136.78,77.89 136.78,83.17 135.56,84.39 135.56,90.69 134.66,91.59 U1.25
  Bottom w0.203: R2.2 136.96,76.99 v2(134.46,76.99) 134.46,75.57 131.09,72.2 120.73,72.2 119.51,73.42 119.51,77.48 115.24,81.75 TP2.1
/~{DTACK_DRV}: length 33.4
  Top w0.203: v2(139.22,57.62) U5.2
  Bottom w0.203: TP4.1 115.14,53.81 118.7,57.37 136.98,57.37 137.24,57.62 v2(139.22,57.62) 139.22,58.38 139.73,58.89 R5.2
/~{DTACK`}: length 51.6
  Top w0.203: U5.4 v2(144.3,56.67)
  Bottom w0.203: X1.a16 153.19,52.54 145.87,52.54 144.3,54.11 v2(144.3,56.67) 142.59,56.67 141.46,55.54 137.39,55.54 135.97,56.96 118.9,56.96 113.21,51.27 TP6.1
/~{IACKIN}: length 2.8
  Bottom w0.203: JP1.1 156.91,37.93 155.09,37.93 X1.a21
/~{IACKOUT}: length 2.8
  Bottom w0.203: 157,36.57 156.91,36.66 155.09,36.66 X1.a22
/~{IRQ1`}: length 30.8
  Bottom w0.203: X1.b30 150.65,14.44 145.47,14.44 144.1,13.07 133.12,13.07 129.47,9.41 129.47,7.38 127.63,5.54 J4.1
/~{IRQ2`}: length 29.6
  Bottom w0.203: X1.b29 150.65,16.98 147.4,16.98 143.89,13.47 132.92,13.47 127.53,8.08 J4.3
/~{IRQ3`}: length 30.3
  Bottom w0.203: J4.5 129.46,10.62 132.72,13.88 143.69,13.88 145.93,16.12 145.93,17.34 148.11,19.52 150.65,19.52 X1.b28
/~{IRQ4`}: length 31.5
  Bottom w0.203: J4.7 131.39,13.16 132.52,14.29 143.49,14.29 145.51,16.31 145.51,19.56 148.01,22.06 150.65,22.06 X1.b27
/~{IRQ5`}: length 33.4
  Bottom w0.203: X1.b26 150.65,24.6 148.11,24.6 145.11,21.6 145.11,16.52 143.28,14.69 132.51,14.69 131.5,15.7 J4.9
/~{IRQ6`}: length 36.3
  Bottom w0.203: X1.b25 150.65,27.14 148.21,27.14 144.71,23.63 144.71,16.73 143.08,15.1 132.72,15.1 132.72,15.1 129.57,18.25 126.53,18.25
/~{IRQ7`}: length 40
  Bottom w0.203: 126.53,20.78 129.06,20.78 131.9,17.95 131.9,16.52 132.92,15.51 142.88,15.51 144.3,16.93 144.3,25.87 148.11,29.68 150.65,29.68 X1.b24
/~{IRQ}: length 58.8
  Top w0.203: v2(133.82,9.29) U9.1
  Bottom w0.203: v2(133.82,9.29) 133.82,8.68 133.33,8.19 132.31,8.19 131.96,7.84 R7.1 131.14,6.82 128.25,3.92 120.32,3.92 116.66,7.58 116.66,35.73 TP12.1
/~{LDS`}: length 17.3
  Top w0.203: U3.20 143.73,49.68 145.32,51.27 145.32,54.19 148.75,57.62 153.19,57.62 X1.a13
/~{LDS}: length 12.4
  Top w0.203: U3.29 128.62,49.68 128.3,50 122.71,50 J2.12
/~{SYSRESET`}: length 6.5
  Top w0.203: X1.c12 147.35,61.43 147.03,61.75 U4.1
/~{SYSRESET}: length 32.6
  Top w0.203: TP9.1 115.75,58.89 117.48,57.16 135.56,57.16 137.39,58.99 139.02,58.99 140.46,60.43 U4.6
/~{UDS`}: length 18.7
  Top w0.203: X1.a12 153.19,60.16 148.75,60.16 146.74,58.15 146.74,56.18 144.91,54.35 144.91,51.88 143.98,50.95 U3.22
